# KiCad board data-center-ddr5-tester.kicad_pcb (continued)
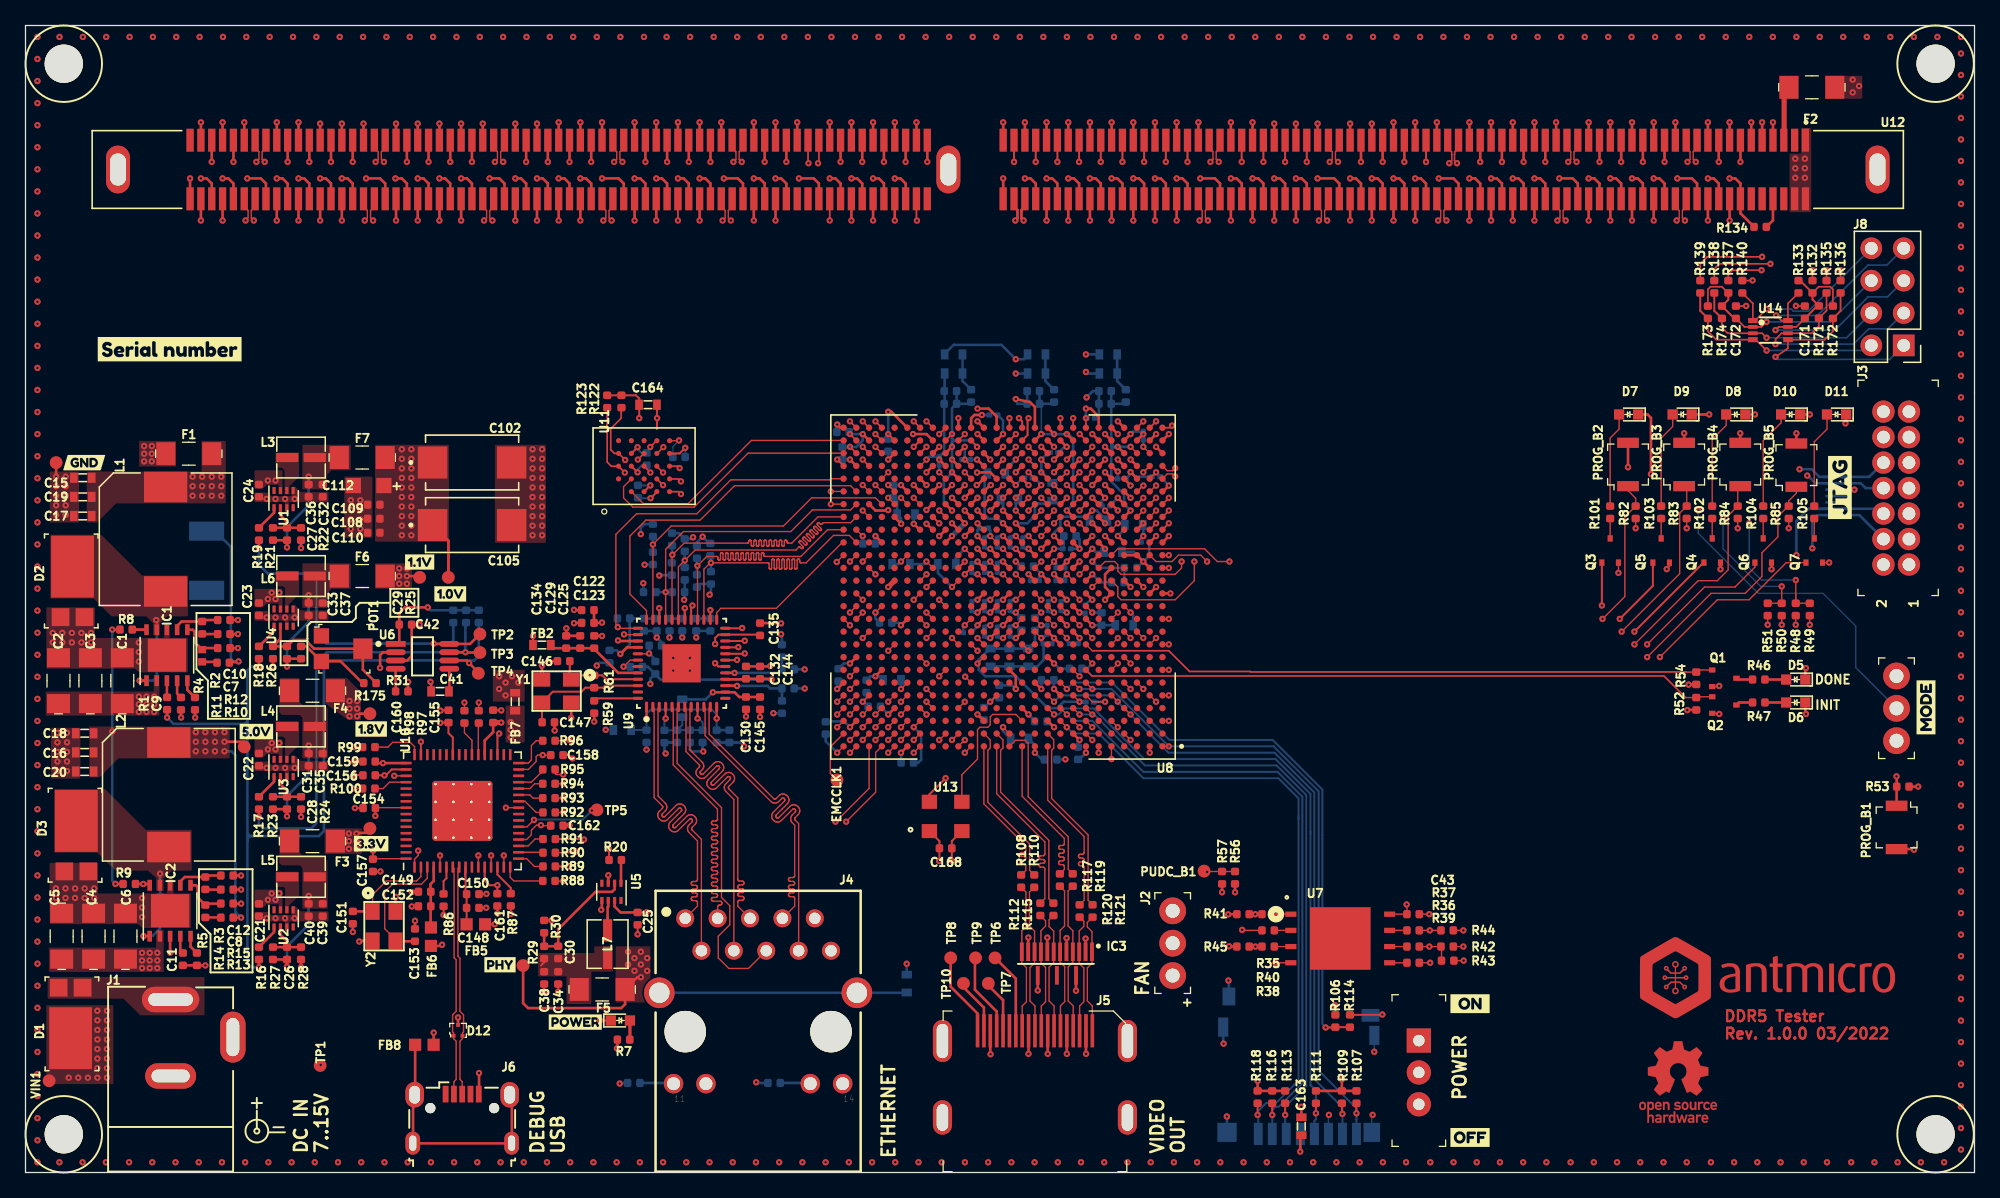
[diagram p0: board, top side]
## Routing (per net, layer and track width the routed paths; a pad name or vN(x,y) marks a point on that pad's centre or on a via; arc(x,y) is an arc through that point) (continued)
VIN_BULK:
  vias: v1(9.3,57) v1(9.3,56.4) v1(9.3,55.8) v1(9.9,57) v1(9.9,56.4) v1(9.9,55.8) v1(138.75,79.55) v1(138.75,78.8) v1(138.75,78.05) v1(139.5,79.55) v1(139.5,78.8) v1(139.5,78.05)
VIN_MGMT: length 4.4
  Top w0.4: 137.88,80.94 137.88,84.78 F2.2
/Ethernet/ETH1_N: length 26.5
  Top w0.1: U9.3 49.59,36.43 49.59,29.54 50.16,28.98 50.22,28.9 50.26,28.82 50.28,28.72 50.28,28.63 50.26,28.53 50.22,28.45 50.16,28.37 49.93,28.14 49.91,28.12 49.9,28.09 49.89,28.06 49.89,28.03 49.9,27.99 49.91,27.97 49.93,27.94 49.96,27.92 49.99,27.91 50.02,27.9 50.05,27.9 50.08,27.91 50.11,27.92 50.14,27.94 51,28.8 51.07,28.86 51.16,28.9 51.25,28.92 51.35,28.92 51.44,28.9 51.53,28.86 51.6,28.8 51.64,28.76 51.7,28.69 51.74,28.6 51.76,28.51 51.76,28.41 51.74,28.32 51.7,28.23 51.64,28.15 50.78,27.3 50.76,27.27 50.75,27.24 50.74,27.21 50.74,27.18 50.75,27.15 50.76,27.12 50.78,27.09 50.81,27.07 50.84,27.06 50.87,27.05 50.9,27.05 50.93,27.06 50.96,27.07 50.99,27.09 51.84,27.95 51.92,28.01 52.01,28.05 52.1,28.07 52.19,28.07 52.29,28.05 52.38,28.01 52.45,27.95 52.49,27.91 52.55,27.84 52.59,27.75 52.61,27.66 52.61,27.56 52.59,27.47 52.55,27.38 52.49,27.31 52.26,27.08 52.24,27.05 52.23,27.03 52.22,26.99 52.22,26.96 52.23,26.93 52.24,26.9 52.26,26.87 52.99,26.14 J4.2
/Ethernet/ETH1_P: length 26.5
  Top w0.1: J4.1 52.68,20.9 52.68,21.18 52.68,21.22 52.67,21.25 52.65,21.28 52.62,21.3 52.6,21.32 52.56,21.33 52.53,21.33 52.34,21.33 52.31,21.34 52.28,21.35 52.25,21.37 52.23,21.39 52.21,21.42 52.2,21.45 52.19,21.48 52.2,21.52 52.21,21.55 52.23,21.58 52.25,21.6 52.28,21.62 52.31,21.63 52.34,21.63 52.53,21.63 52.56,21.64 52.6,21.65 52.62,21.67 52.65,21.69 52.67,21.72 52.68,21.75 52.68,21.78 52.68,21.82 52.67,21.85 52.65,21.88 52.62,21.9 52.6,21.92 52.56,21.93 52.53,21.93 52.34,21.93 52.31,21.94 52.28,21.95 52.25,21.97 52.23,21.99 52.21,22.02 52.2,22.05 52.19,22.08 52.2,22.12 52.21,22.15 52.23,22.18 52.25,22.2 52.28,22.22 52.31,22.23 52.34,22.23 52.53,22.23 52.56,22.24 52.6,22.25 52.62,22.27 52.65,22.29 52.67,22.32 52.68,22.35 52.68,22.38 52.68,22.42 52.67,22.45 52.65,22.48 52.62,22.5 52.6,22.52 52.56,22.53 52.53,22.53 52.34,22.53 52.31,22.54 52.28,22.55 52.25,22.57 52.23,22.59 52.21,22.62 52.2,22.65 52.19,22.68 52.2,22.72 52.21,22.75 52.23,22.78 52.25,22.8 52.28,22.82 52.31,22.83 52.34,22.83 52.53,22.83 52.56,22.84 52.6,22.85 52.62,22.87 52.65,22.89 52.67,22.92 52.68,22.95 52.68,22.98 52.68,26.02 52.02,26.67 51.96,26.75 51.92,26.84 51.9,26.93 51.9,27.03 51.92,27.12 51.96,27.21 52.02,27.28 52.25,27.51 52.27,27.53 52.28,27.56 52.29,27.59 52.29,27.63 52.28,27.66 52.27,27.69 52.25,27.71 52.22,27.73 52.19,27.75 52.16,27.75 52.13,27.75 52.1,27.75 52.07,27.73 52.04,27.71 51.19,26.85 51.11,26.79 51.02,26.75 50.93,26.73 50.83,26.73 50.74,26.75 50.65,26.79 50.58,26.85 50.54,26.89 50.48,26.97 50.44,27.05 50.42,27.15 50.42,27.24 50.44,27.34 50.48,27.42 50.54,27.5 51.4,28.36 51.42,28.38 51.44,28.41 51.44,28.44 51.44,28.47 51.44,28.51 51.42,28.53 51.4,28.56 51.38,28.58 51.35,28.59 51.31,28.6 51.28,28.6 51.25,28.59 51.22,28.58 51.2,28.56 50.34,27.7 50.26,27.64 50.18,27.6 50.08,27.58 49.99,27.58 49.89,27.6 49.81,27.64 49.73,27.7 49.69,27.74 49.63,27.81 49.59,27.9 49.57,27.99 49.57,28.09 49.59,28.18 49.63,28.27 49.69,28.35 49.92,28.57 49.94,28.6 49.95,28.63 49.96,28.66 49.96,28.69 49.95,28.72 49.94,28.75 49.92,28.78 49.28,29.42 49.28,36.43 U9.2
/Ethernet/ETH2_N: length 26.5
  Top w0.1: U9.6 51.09,36.43 51.09,32.1 54.57,28.63 54.57,21.58 55.21,20.94 55.21,19.44 54.31,18.54 54.31,16.84 55.14,16.01 56.68,16.01 J4.6
/Ethernet/ETH2_P: length 26.5
  Top w0.1: J4.3 54.26,20.83 54.27,20.87 54.28,20.9 54.29,20.93 54.32,20.95 54.35,20.97 54.38,20.98 54.41,20.98 54.45,20.98 54.48,20.99 54.51,21 54.54,21.02 54.57,21.04 54.58,21.07 54.6,21.1 54.6,21.13 54.6,21.17 54.58,21.2 54.57,21.23 54.54,21.25 54.51,21.27 54.48,21.28 54.45,21.28 53.92,21.28 53.89,21.29 53.86,21.3 53.83,21.32 53.81,21.34 53.79,21.37 53.78,21.4 53.77,21.43 53.78,21.47 53.79,21.5 53.81,21.53 53.83,21.55 53.86,21.57 53.89,21.58 53.92,21.58 54.11,21.58 54.14,21.59 54.18,21.6 54.2,21.62 54.23,21.64 54.25,21.67 54.26,21.7 54.26,21.73 54.26,21.77 54.25,21.8 54.23,21.83 54.2,21.85 54.18,21.87 54.14,21.88 54.11,21.88 53.92,21.88 53.89,21.89 53.86,21.9 53.83,21.92 53.81,21.94 53.79,21.97 53.78,22 53.77,22.03 53.78,22.07 53.79,22.1 53.81,22.13 53.83,22.15 53.86,22.17 53.89,22.18 53.92,22.18 54.11,22.18 54.14,22.19 54.18,22.2 54.2,22.22 54.23,22.24 54.25,22.27 54.26,22.3 54.26,22.33 54.26,22.37 54.25,22.4 54.23,22.43 54.2,22.45 54.18,22.47 54.14,22.48 54.11,22.48 53.92,22.48 53.89,22.49 53.86,22.5 53.83,22.52 53.81,22.54 53.79,22.57 53.78,22.6 53.77,22.63 53.78,22.67 53.79,22.7 53.81,22.73 53.83,22.75 53.86,22.77 53.89,22.78 53.92,22.78 54.11,22.78 54.14,22.79 54.18,22.8 54.2,22.82 54.23,22.84 54.25,22.87 54.26,22.9 54.26,22.93 54.26,22.97 54.25,23 54.23,23.03 54.2,23.05 54.18,23.07 54.14,23.08 54.11,23.08 53.92,23.08 53.89,23.09 53.86,23.1 53.83,23.12 53.81,23.14 53.79,23.17 53.78,23.2 53.77,23.23 53.78,23.27 53.79,23.3 53.81,23.33 53.83,23.35 53.86,23.37 53.89,23.38 53.92,23.38 54.11,23.38 54.14,23.39 54.18,23.4 54.2,23.42 54.23,23.44 54.25,23.47 54.26,23.5 54.26,23.53 54.26,23.57 54.25,23.6 54.23,23.63 54.2,23.65 54.18,23.67 54.14,23.68 54.11,23.68 53.92,23.68 53.89,23.69 53.86,23.7 53.83,23.72 53.81,23.74 53.79,23.77 53.78,23.8 53.77,23.83 53.78,23.87 53.79,23.9 53.81,23.93 53.83,23.95 53.86,23.97 53.89,23.98 53.92,23.98 54.11,23.98 54.14,23.99 54.18,24 54.2,24.02 54.23,24.04 54.25,24.07 54.26,24.1 54.26,24.13 54.26,24.17 54.25,24.2 54.23,24.23 54.2,24.25 54.18,24.27 54.14,24.28 54.11,24.28 53.92,24.28 53.89,24.29 53.86,24.3 53.83,24.32 53.81,24.34 53.79,24.37 53.78,24.4 53.77,24.43 53.78,24.47 53.79,24.5 53.81,24.53 53.83,24.55 53.86,24.57 53.89,24.58 53.92,24.58 54.11,24.58 54.14,24.59 54.18,24.6 54.2,24.62 54.23,24.64 54.25,24.67 54.26,24.7 54.26,24.73 54.26,24.77 54.25,24.8 54.23,24.83 54.2,24.85 54.18,24.87 54.14,24.88 54.11,24.88 53.92,24.88 53.89,24.89 53.86,24.9 53.83,24.92 53.81,24.94 53.79,24.97 53.78,25 53.77,25.03 53.78,25.07 53.79,25.1 53.81,25.13 53.83,25.15 53.86,25.17 53.89,25.18 53.92,25.18 54.11,25.18 54.14,25.19 54.18,25.2 54.2,25.22 54.23,25.24 54.25,25.27 54.26,25.3 54.26,25.33 54.26,25.37 54.25,25.4 54.23,25.43 54.2,25.45 54.18,25.47 54.14,25.48 54.11,25.48 53.92,25.48 53.89,25.49 53.86,25.5 53.83,25.52 53.81,25.54 53.79,25.57 53.78,25.6 53.77,25.63 53.78,25.67 53.79,25.7 53.81,25.73 53.83,25.75 53.86,25.77 53.89,25.78 53.92,25.78 54.11,25.78 54.14,25.79 54.18,25.8 54.2,25.82 54.23,25.84 54.25,25.87 54.26,25.9 54.26,25.93 54.26,25.97 54.25,26 54.23,26.03 54.2,26.05 54.18,26.07 54.14,26.08 54.11,26.08 53.92,26.08 53.89,26.09 53.86,26.1 53.83,26.12 53.81,26.14 53.79,26.17 53.78,26.2 53.77,26.23 53.78,26.27 53.79,26.3 53.81,26.33 53.83,26.35 53.86,26.37 53.89,26.38 53.92,26.38 54.11,26.38 54.14,26.39 54.18,26.4 54.2,26.42 54.23,26.44 54.25,26.47 54.26,26.5 54.26,26.53 54.26,26.57 54.25,26.6 54.23,26.63 54.2,26.65 54.18,26.67 54.14,26.68 54.11,26.68 53.92,26.68 53.89,26.69 53.86,26.7 53.83,26.72 53.81,26.74 53.79,26.77 53.78,26.8 53.77,26.83 53.78,26.87 53.79,26.9 53.81,26.93 53.83,26.95 53.86,26.97 53.89,26.98 53.92,26.98 54.11,26.98 54.14,26.99 54.18,27 54.2,27.02 54.23,27.04 54.25,27.07 54.26,27.1 54.26,27.13 54.26,27.17 54.25,27.2 54.23,27.23 54.2,27.25 54.18,27.27 54.14,27.28 54.11,27.28 53.92,27.28 53.89,27.29 53.86,27.3 53.83,27.32 53.81,27.34 53.79,27.37 53.78,27.4 53.77,27.43 53.78,27.47 53.79,27.5 53.81,27.53 53.83,27.55 53.86,27.57 53.89,27.58 53.92,27.58 54.11,27.58 54.14,27.59 54.18,27.6 54.2,27.62 54.23,27.64 54.25,27.67 ; 54.25,27.67 54.26,27.7 54.26,27.73 ; 54.25,27.67 54.25,28.51 50.78,31.98 50.78,36.43 U9.5
/Ethernet/ETH3_N: length 26.5
  Top w0.1: U9.8 52.09,36.43 52.09,33.15 53.05,32.19 53.11,32.12 53.15,32.04 53.17,31.95 53.17,31.85 53.15,31.76 53.11,31.68 53.05,31.61 52.93,31.48 52.91,31.46 52.89,31.43 52.89,31.4 52.89,31.37 52.89,31.34 52.91,31.32 52.93,31.29 52.95,31.27 52.97,31.25 53,31.24 53.02,31.24 53.05,31.24 53.08,31.24 53.11,31.25 53.13,31.27 53.97,32.12 54.05,32.18 54.14,32.22 54.23,32.24 54.32,32.24 54.42,32.22 54.5,32.18 54.58,32.12 54.62,32.08 54.68,32 54.72,31.92 54.74,31.82 54.74,31.73 54.72,31.63 54.68,31.55 54.62,31.47 53.77,30.63 53.76,30.61 53.74,30.58 53.74,30.55 53.74,30.52 53.74,30.49 53.76,30.47 53.77,30.45 53.79,30.42 53.82,30.41 53.84,30.39 53.87,30.39 53.9,30.39 53.93,30.39 53.96,30.41 53.98,30.42 54.82,31.27 54.9,31.33 54.98,31.37 55.08,31.39 55.17,31.39 55.27,31.37 55.35,31.33 55.43,31.27 55.47,31.23 55.53,31.16 55.57,31.07 55.59,30.98 55.59,30.88 55.57,30.79 55.53,30.7 55.47,30.62 55.15,30.3 55.13,30.28 55.11,30.25 55.1,30.22 55.1,30.19 55.11,30.15 55.13,30.12 55.15,30.1 55.84,29.4 55.84,23.01 55.85,22.98 55.86,22.95 55.87,22.92 55.9,22.9 55.93,22.88 55.96,22.87 55.99,22.86 56.18,22.86 56.21,22.86 56.24,22.85 56.27,22.83 56.3,22.81 56.31,22.78 56.32,22.75 56.33,22.71 56.32,22.68 56.31,22.65 56.3,22.62 56.27,22.6 56.24,22.58 56.21,22.57 56.18,22.56 55.99,22.56 55.96,22.56 55.93,22.55 55.9,22.53 55.87,22.51 55.86,22.48 55.85,22.45 55.84,22.41 55.85,22.38 55.86,22.35 55.87,22.32 55.9,22.3 55.93,22.28 55.96,22.27 55.99,22.26 56.18,22.26 56.21,22.26 56.24,22.25 56.27,22.23 56.3,22.21 56.31,22.18 56.32,22.15 56.33,22.11 56.32,22.08 56.31,22.05 56.3,22.02 56.27,22 56.24,21.98 56.21,21.97 56.18,21.96 55.99,21.96 55.96,21.96 55.93,21.95 55.9,21.93 55.87,21.91 55.86,21.88 55.85,21.85 55.84,21.81 55.85,21.78 55.86,21.75 55.87,21.72 55.9,21.7 55.93,21.68 55.96,21.67 55.99,21.66 56.18,21.66 56.21,21.66 56.24,21.65 56.27,21.63 56.3,21.61 56.31,21.58 56.32,21.55 56.33,21.51 56.32,21.48 56.31,21.45 56.3,21.42 56.27,21.4 56.24,21.38 56.21,21.37 56.18,21.36 55.99,21.36 55.96,21.36 55.93,21.35 55.9,21.33 55.87,21.31 55.86,21.28 55.85,21.25 55.84,21.21 55.84,20.9 J4.5
/Ethernet/ETH3_P: length 26.5
  Top w0.1: U9.7 51.78,36.43 51.78,33.03 52.82,31.99 52.83,31.97 52.85,31.94 52.85,31.91 52.85,31.88 52.85,31.86 52.83,31.83 52.82,31.81 52.69,31.68 52.63,31.61 52.59,31.52 52.57,31.43 52.57,31.34 52.59,31.25 52.63,31.17 52.69,31.09 52.74,31.04 52.82,30.98 52.9,30.94 52.99,30.92 53.08,30.92 53.18,30.94 53.26,30.98 53.33,31.04 54.17,31.88 54.2,31.9 54.23,31.91 54.26,31.92 54.29,31.92 54.32,31.91 54.35,31.9 54.38,31.88 54.4,31.85 54.41,31.82 54.42,31.79 54.42,31.76 54.41,31.73 54.4,31.7 54.38,31.67 53.54,30.83 53.48,30.76 53.44,30.67 53.42,30.58 53.42,30.49 53.44,30.4 53.48,30.32 53.54,30.24 53.59,30.19 53.67,30.13 53.75,30.09 53.84,30.07 53.93,30.07 54.02,30.09 54.11,30.13 54.18,30.19 55.02,31.03 55.05,31.05 55.08,31.06 55.11,31.07 55.14,31.07 55.17,31.06 55.2,31.05 55.23,31.03 55.25,31 55.26,30.98 55.27,30.94 55.27,30.91 55.26,30.88 55.25,30.85 55.23,30.82 54.91,30.51 54.85,30.43 54.81,30.34 54.79,30.25 54.79,30.15 54.81,30.06 54.85,29.97 54.91,29.9 55.53,29.28 J4.4
/Ethernet/ETH4_N: length 26.5
  Top w0.1: J4.8 60.61,27.38 60.35,27.65 60.33,27.67 60.31,27.7 60.3,27.74 60.3,27.77 60.31,27.8 60.33,27.83 60.35,27.85 60.58,28.09 60.64,28.16 60.68,28.25 60.7,28.34 60.7,28.44 60.68,28.53 60.64,28.62 60.58,28.69 60.54,28.73 60.46,28.79 60.38,28.83 60.28,28.85 60.19,28.85 60.1,28.83 60.01,28.79 59.93,28.73 59.07,27.86 59.04,27.84 59.01,27.83 58.98,27.82 58.95,27.82 58.92,27.83 58.89,27.84 58.86,27.86 58.84,27.89 58.83,27.92 58.82,27.95 58.82,27.98 58.83,28.01 58.84,28.04 58.86,28.07 59.73,28.93 59.79,29.01 59.83,29.1 59.85,29.19 59.85,29.29 59.83,29.38 59.79,29.47 59.73,29.54 59.69,29.58 59.62,29.64 59.53,29.68 59.44,29.7 59.34,29.7 59.25,29.68 59.16,29.64 59.08,29.58 58.85,29.35 58.83,29.33 58.8,29.31 58.77,29.31 58.74,29.31 58.7,29.31 58.67,29.33 58.65,29.35 58.07,29.92 53.59,34.4 53.59,36.43 U9.11
/Ethernet/ETH4_P: length 26.5
  Top w0.1: J4.7 60.3,20.9 60.3,21.49 60.3,21.53 60.29,21.56 60.27,21.59 60.24,21.61 60.22,21.63 60.18,21.64 60.15,21.64 59.96,21.64 59.93,21.65 59.9,21.66 59.87,21.68 59.85,21.7 59.83,21.73 59.82,21.76 59.81,21.79 59.82,21.83 59.83,21.86 59.85,21.89 59.87,21.91 59.9,21.93 59.93,21.94 59.96,21.94 60.15,21.94 60.18,21.95 60.22,21.96 60.24,21.98 60.27,22 60.29,22.03 60.3,22.06 60.3,22.09 60.3,22.13 60.29,22.16 60.27,22.19 60.24,22.21 60.22,22.23 60.18,22.24 60.15,22.24 59.96,22.24 59.93,22.25 59.9,22.26 59.87,22.28 59.85,22.3 59.83,22.33 59.82,22.36 59.81,22.39 59.82,22.43 59.83,22.46 59.85,22.49 59.87,22.51 59.9,22.53 59.93,22.54 59.96,22.54 60.15,22.54 60.18,22.55 60.22,22.56 60.24,22.58 60.27,22.6 60.29,22.63 60.3,22.66 60.3,22.69 60.3,22.73 60.29,22.76 60.27,22.79 60.24,22.81 60.22,22.83 60.18,22.84 60.15,22.84 59.96,22.84 59.93,22.85 59.9,22.86 59.87,22.88 59.85,22.9 59.83,22.93 59.82,22.96 59.81,22.99 59.82,23.03 59.83,23.06 59.85,23.09 59.87,23.11 59.9,23.13 59.93,23.14 59.96,23.14 60.15,23.14 60.18,23.15 60.22,23.16 60.24,23.18 60.27,23.2 60.29,23.23 60.3,23.26 60.3,23.29 60.3,27.26 60.11,27.45 60.05,27.52 60.01,27.61 59.99,27.7 59.99,27.8 60.01,27.89 60.05,27.98 60.11,28.06 60.34,28.29 60.36,28.31 60.37,28.34 60.38,28.37 60.38,28.41 60.37,28.44 60.36,28.47 60.34,28.49 60.31,28.51 60.28,28.53 60.25,28.53 60.22,28.53 60.19,28.53 60.16,28.51 60.13,28.49 59.27,27.62 59.19,27.56 59.1,27.52 59.01,27.5 58.92,27.5 58.82,27.52 58.74,27.56 58.66,27.62 58.62,27.66 58.56,27.74 58.52,27.82 58.5,27.92 58.5,28.01 58.52,28.11 58.56,28.19 58.62,28.27 59.49,29.13 59.51,29.16 59.52,29.19 59.53,29.22 59.53,29.25 59.52,29.29 59.51,29.31 59.49,29.34 59.47,29.36 59.44,29.37 59.4,29.38 59.37,29.38 59.34,29.37 59.31,29.36 59.29,29.34 59.05,29.11 58.98,29.05 58.89,29.01 58.8,28.99 58.7,28.99 58.61,29.01 58.52,29.05 58.45,29.11 53.28,34.28 53.28,36.43 U9.10
/FPGA banks 16-34/EN: length 15.9
  Top w0.127: R133.1 138.18,68.19 U14.8 137.65,66.85 v1(137.25,67.25)
  Top w0.15: 138.22,66.8 U14.8
  Bottom w0.127: J8.7 145.93,71.2 144.45,71.2 140.5,67.25 v1(137.25,67.25)
/FPGA banks 16-34/SCL1: length 15.8
  Top w0.127: R174.2 133,66.3 133.45,65.85 U14.3 136.15,65.85 v1(136.5,65.5)
  Top w0.15: R174.2 132.4,67.61 R138.1
  Bottom w0.127: v1(136.5,65.5) 142.77,65.5 J8.4
/FPGA banks 16-34/SCL2: length 18.1
  Top w0.127: v1(137.2,65) 137.2,65.38 137.67,65.85 U14.6 140.05,65.85 140.6,66.4 R171.2 141.2,67.63 R135.2
  Bottom w0.127: v1(137.2,65) 143.31,65 144.51,66.2 146.01,66.2 J8.3
/FPGA banks 16-34/SDA1: length 16.9
  Top w0.127: R173.2 131.9,66 132.55,65.35 U14.4 135.65,65.35 v1(136.5,64.5)
  Top w0.15: R139.1 131.3,67.61 R173.2
  Bottom w0.127: J8.2 144.31,64.5 v1(136.5,64.5)
/FPGA banks 16-34/SDA2: length 19.5
  Top w0.127: v1(137.2,64) 138.18,64.67 U14.5 141.05,65.35 141.7,66 R172.2 142.3,67.61 R136.2
  Bottom w0.127: J8.1 146.15,63.8 137.4,63.8 v1(137.2,64)
/FPGA banks 16-34/VREF1: length 18.4
  Top w0.127: R137.1 133.49,69.02 133,69.5 132.1,69.5 131.9,69.3 R173.1 ; v1(136.5,66.75) 136.1,66.35 U14.2 134.76,66.35 C172.1
  Top w0.15: 134.15,66.97 C172.1 133.97,67.02 R174.1 133.5,68.48 R137.1
  Bottom w0.127: J8.6 141.48,66.75 v1(136.5,66.75)
/FPGA banks 16-34/VREF2: length 21.9
  Top w0.127: R172.1 141.7,69.3 141.5,69.5 140.59,69.5 R132.1 ; C171.1 138.84,66.35 U14.7 137.45,66.35 v1(137.2,66.1)
  Top w0.15: 141.69,68 R172.1 ; 139.45,66.97 C171.1 140.49,68 R171.1 140.1,68.5 R132.1 139.13,69.98 R133.2
  Bottom w0.127: J8.5 145.97,68.7 144.45,68.7 141.85,66.1 v1(137.2,66.1)
/Supply/SYS_EN: length 107.9
  Top w0.2: v1(23.14,8.44) 23.1,8.4 TP1.1 ; v1(11.35,17.25) 11.34,17.26 IC2.3
  In9.Cu w0.15: v1(11.35,17.25) 19.35,17.25 19.6,17 19.6,8.8 19.96,8.44 v1(23.14,8.44) 108.65,8.44 S1.2
ALERT_N: length 41.4
  Top w0.13: U8.AF2 v1(88.64,58.94)
  Top w0.15: U12.62 v1(87.7,79.3)
  In9.Cu w0.13: v1(87.7,79.3) 87.7,78.8 87.7,78.77 87.69,78.74 87.67,78.72 87.65,78.7 87.63,78.68 87.6,78.67 87.57,78.67 87.49,78.67 87.46,78.67 87.43,78.66 87.41,78.64 87.39,78.62 87.37,78.6 87.36,78.57 87.36,78.54 87.36,78.51 87.37,78.48 87.39,78.46 87.41,78.44 87.43,78.42 87.46,78.41 87.49,78.41 87.91,78.41 87.94,78.41 87.97,78.4 87.99,78.38 88.01,78.36 88.03,78.34 88.04,78.31 88.04,78.28 88.04,78.25 88.03,78.22 88.01,78.2 87.99,78.18 87.97,78.16 87.94,78.15 87.91,78.15 87.49,78.15 87.46,78.15 87.43,78.14 87.41,78.12 87.39,78.1 87.37,78.08 87.36,78.05 87.36,78.02 87.36,77.99 87.37,77.96 87.39,77.94 87.41,77.92 87.43,77.9 87.46,77.89 87.49,77.89 87.91,77.89 87.94,77.89 87.97,77.88 87.99,77.86 88.01,77.84 88.03,77.82 88.04,77.79 88.04,77.76 88.04,77.73 88.03,77.7 88.01,77.68 87.99,77.66 87.97,77.64 87.94,77.63 87.91,77.63 87.49,77.63 87.46,77.63 87.43,77.62 87.41,77.6 87.39,77.58 87.37,77.56 87.36,77.53 87.36,77.5 87.36,77.47 87.37,77.44 87.39,77.42 87.41,77.4 87.43,77.38 87.46,77.37 87.49,77.37 87.91,77.37 87.94,77.37 87.97,77.36 87.99,77.34 88.01,77.32 88.03,77.3 88.04,77.27 88.04,77.24 88.04,77.21 88.03,77.18 88.01,77.16 87.99,77.14 87.97,77.12 87.94,77.11 87.91,77.11 87.49,77.11 87.46,77.11 87.43,77.1 87.41,77.08 87.39,77.06 87.37,77.04 87.36,77.01 87.36,76.98 87.36,76.95 87.37,76.92 87.39,76.9 87.41,76.88 87.43,76.86 87.46,76.85 87.49,76.85 87.91,76.85 87.94,76.85 87.97,76.84 87.99,76.82 88.01,76.8 88.03,76.78 88.04,76.75 88.04,76.72 88.04,76.69 88.03,76.66 88.01,76.64 87.99,76.62 87.97,76.6 87.94,76.59 87.91,76.59 87.49,76.59 87.46,76.59 87.43,76.58 87.41,76.56 87.39,76.54 87.37,76.52 87.36,76.49 87.36,76.46 87.36,76.43 87.37,76.4 87.39,76.38 87.41,76.36 87.43,76.34 87.46,76.33 87.49,76.33 87.91,76.33 87.94,76.33 87.97,76.32 87.99,76.3 88.01,76.28 88.03,76.26 88.04,76.23 88.04,76.2 88.04,76.17 88.03,76.14 88.01,76.12 87.99,76.1 87.97,76.08 87.94,76.07 87.91,76.07 87.49,76.07 87.46,76.07 87.43,76.06 87.41,76.04 87.39,76.02 87.37,76 87.36,75.97 87.36,75.94 87.36,75.91 87.37,75.88 87.39,75.86 87.41,75.84 87.43,75.82 87.46,75.81 87.49,75.81 87.91,75.81 87.94,75.81 87.97,75.8 87.99,75.78 88.01,75.76 88.03,75.74 88.04,75.71 88.04,75.68 88.04,75.65 88.03,75.62 88.01,75.6 87.99,75.58 87.97,75.56 87.94,75.55 87.91,75.55 87.49,75.55 87.46,75.55 87.43,75.54 87.41,75.52 87.39,75.5 87.37,75.48 87.36,75.45 87.36,75.42 87.36,75.39 87.37,75.36 87.39,75.34 87.41,75.32 87.43,75.3 87.46,75.29 87.49,75.29 87.91,75.29 87.94,75.29 87.97,75.28 87.99,75.26 88.01,75.24 88.03,75.22 88.04,75.19 88.04,75.16 88.04,75.13 88.03,75.1 88.01,75.08 87.99,75.06 87.97,75.04 87.94,75.03 87.91,75.03 87.49,75.03 87.46,75.03 87.43,75.02 87.41,75 87.39,74.98 87.37,74.96 87.36,74.93 87.36,74.9 87.36,74.87 87.37,74.84 87.39,74.82 87.41,74.8 87.43,74.78 87.46,74.77 87.49,74.77 87.91,74.77 87.94,74.77 87.97,74.76 87.99,74.74 88.01,74.72 88.03,74.7 88.04,74.67 88.04,74.64 88.04,74.61 88.03,74.58 88.01,74.56 87.99,74.54 87.97,74.52 87.94,74.51 87.91,74.51 87.49,74.51 87.46,74.51 87.43,74.5 87.41,74.48 87.39,74.46 87.37,74.44 87.36,74.41 87.36,74.38 87.36,74.35 87.37,74.32 87.39,74.3 87.41,74.28 87.43,74.26 87.46,74.25 87.49,74.25 87.91,74.25 87.94,74.25 87.97,74.24 87.99,74.22 88.01,74.2 88.03,74.18 88.04,74.15 88.04,74.12 88.04,74.09 88.03,74.06 88.01,74.04 87.99,74.02 87.97,74 87.94,73.99 87.91,73.99 87.49,73.99 87.46,73.99 87.43,73.98 87.41,73.96 87.39,73.94 87.37,73.92 87.36,73.89 87.36,73.86 87.36,73.83 87.37,73.8 87.39,73.78 87.41,73.76 87.43,73.74 87.46,73.73 87.49,73.73 87.91,73.73 87.94,73.73 87.97,73.72 87.99,73.7 88.01,73.68 88.03,73.66 88.04,73.63 88.04,73.6 88.04,73.57 88.03,73.54 88.01,73.52 87.99,73.5 87.97,73.48 87.94,73.47 87.91,73.47 87.49,73.47 87.46,73.47 87.43,73.46 87.41,73.44 87.39,73.42 87.37,73.4 87.36,73.37 87.36,73.34 87.36,73.31 87.37,73.28 87.39,73.26 87.41,73.24 87.43,73.22 87.46,73.21 87.49,73.21 87.91,73.21 87.94,73.21 87.97,73.2 87.99,73.18 88.01,73.16 88.03,73.14 88.04,73.11 88.04,73.08 88.04,73.05 88.03,73.02 88.01,73 87.99,72.98 87.97,72.96 87.94,72.95 87.91,72.95 87.49,72.95 87.46,72.95 87.43,72.94 87.41,72.92 87.39,72.9 87.37,72.88 87.36,72.85 87.36,72.82 87.36,72.79 87.37,72.76 87.39,72.74 87.41,72.72 87.43,72.7 87.46,72.69 87.49,72.69 87.91,72.69 87.94,72.69 87.97,72.68 87.99,72.66 88.01,72.64 88.03,72.62 88.04,72.59 88.04,72.56 88.04,72.53 88.03,72.5 88.01,72.48 87.99,72.46 87.97,72.44 87.94,72.43 87.91,72.43 87.49,72.43 87.46,72.43 87.43,72.42 87.41,72.4 87.39,72.38 87.37,72.36 87.36,72.33 87.36,72.3 87.36,72.27 87.37,72.24 87.39,72.22 87.41,72.2 87.43,72.18 87.46,72.17 87.49,72.17 87.91,72.17 87.94,72.17 87.97,72.16 87.99,72.14 88.01,72.12 88.03,72.1 88.04,72.07 88.04,72.04 88.04,72.01 88.03,71.98 88.01,71.96 87.99,71.94 87.97,71.92 87.94,71.91 87.91,71.91 87.49,71.91 87.46,71.91 87.43,71.9 87.41,71.88 87.39,71.86 87.37,71.84 87.36,71.81 87.36,71.78 87.36,71.75 87.37,71.72 87.39,71.7 87.41,71.68 87.43,71.66 87.46,71.65 87.49,71.65 87.91,71.65 87.94,71.65 87.97,71.64 87.99,71.62 88.01,71.6 88.03,71.58 88.04,71.55 88.04,71.52 88.04,71.49 88.03,71.46 88.01,71.44 87.99,71.42 87.97,71.4 87.94,71.39 87.91,71.39 87.49,71.39 87.46,71.39 87.43,71.38 87.41,71.36 87.39,71.34 87.37,71.32 87.36,71.29 87.36,71.26 87.36,71.23 87.37,71.2 87.39,71.18 87.41,71.16 87.43,71.14 87.46,71.13 87.49,71.13 87.91,71.13 87.94,71.13 87.97,71.12 87.99,71.1 88.01,71.08 88.03,71.06 88.04,71.03 88.04,71 88.04,70.97 88.03,70.94 88.01,70.92 87.99,70.9 87.97,70.88 87.94,70.87 87.91,70.87 87.49,70.87 87.46,70.87 87.43,70.86 87.41,70.84 87.39,70.82 87.37,70.8 87.36,70.77 87.36,70.74 87.36,70.71 87.37,70.68 87.39,70.66 87.41,70.64 87.43,70.62 87.46,70.61 87.49,70.61 87.91,70.61 87.94,70.61 87.97,70.6 87.99,70.58 88.01,70.56 88.03,70.54 88.04,70.51 88.04,70.48 88.04,70.45 88.03,70.42 88.01,70.4 87.99,70.38 87.97,70.36 87.94,70.35 87.91,70.35 87.83,70.35 87.8,70.35 87.77,70.34 87.75,70.32 87.73,70.3 87.71,70.28 87.7,70.25 87.7,70.22 87.7,59.88 v1(88.64,58.94)
AUX_JTAG_RST: length 25.9
  Top w0.1: R96.2 42.57,33.88 v1(42.64,33.94) ; U8.G25 v1(64.64,38.94)
  In2.Cu w0.1: v1(64.64,38.94) 63.14,38.94 58.14,33.94 v1(42.64,33.94)
AUX_JTAG_TCK: length 28.9
  Top w0.1: 41.52,28.25 v4(42.16,28.25) ; U8.C24 v1(65.64,34.94)
  In2.Cu w0.1: v4(42.16,28.25) 42.85,28.94 61.92,28.94 65.14,32.16 65.14,34.44 v1(65.64,34.94)
AUX_JTAG_TDI: length 29.2
  Top w0.1: R93.2 v4(42.16,29.38) ; U8.D24 v1(65.64,35.94)
  In2.Cu w0.1: v1(65.64,35.94) 65.14,35.44 64.54,35.44 64.14,35.03 64.14,32.44 60.94,29.24 42.3,29.24 v4(42.16,29.38)
AUX_JTAG_TDO: length 25.5
  Top w0.1: U8.C26 v1(63.64,34.94) ; R94.2 v4(42.16,30.5)
  In2.Cu w0.1: v4(42.16,30.5) 42.57,30.5 43.54,29.54 58.24,29.54 v1(63.64,34.94)
AUX_JTAG_TMS: length 27.3
  Top w0.1: U8.D25 v1(64.64,35.94) ; v4(42.16,31.23) 41.6,31.23 41.52,31.31 R95.2
  In2.Cu w0.1: v4(42.16,31.23) 42.19,31.25 42.82,31.25 44.24,29.84 57.64,29.84 63.24,35.44 63.78,35.44 64.28,35.94 v1(64.64,35.94)
C_TMDS_CLK_N: length 11.8
  Top w0.1: R108.2 78.43,22.01 78.43,19.29 78.11,18.97 IC3.12 78.11,16.44 78.47,16.08 78.47,13.4 78.14,13.07 J5.12
C_TMDS_CLK_P: length 11.9
  Top w0.1: R110.2 78.71,22.01 78.71,19.34 79.11,18.94 IC3.10 79.11,16.44 78.75,16.08 78.75,13.46 79.14,13.07 J5.10
C_TMDS_D0_N: length 9.7
  Top w0.1: R112.2 79.97,19.75 79.97,19.33 79.61,18.97 IC3.9 79.61,16.45 79.97,16.09 79.97,13.4 79.64,13.07 J5.9
C_TMDS_D0_P: length 9.6
  Top w0.1: R115.2 80.25,19.83 80.25,19.3 80.61,18.93 IC3.7 80.61,16.46 80.25,16.1 80.25,13.46 80.64,13.07 J5.7
C_TMDS_D1_N: length 11.9
  Top w0.1: J5.6 81.14,13.07 81.47,13.4 81.47,16.15 81.11,16.52 IC3.6 81.11,18.99 81.46,19.34 81.46,22.1 R117.2
C_TMDS_D1_P: length 12
  Top w0.1: J5.4 82.14,13.07 81.75,13.46 81.75,16.14 82.11,16.5 IC3.4 82.11,18.97 81.74,19.35 81.74,22.1 R119.2
C_TMDS_D2_N: length 9.5
  Top w0.1: R120.2 82.97,19.71 82.97,19.32 82.61,18.96 IC3.3 82.61,16.41 82.97,16.05 82.97,13.4 82.64,13.07 J5.3
C_TMDS_D2_P: length 9.5
  Top w0.1: R121.2 83.25,19.63 83.25,19.27 83.61,18.9 IC3.1 83.61,16.42 83.25,16.06 83.25,13.46 83.64,13.07 J5.1
CA0_A: length 41.3
  Top w0.13: U8.V7 v1(82.64,50.94)
  Top w0.15: U12.66 v1(84.3,79.3)
  In9.Cu w0.13: v1(82.64,50.94) 83.64,50.94 84.14,51.44 84.14,58.44 84.3,58.6 84.3,74.38 84.3,74.41 84.31,74.44 84.33,74.46 84.35,74.48 84.37,74.5 84.4,74.51 84.43,74.51 84.52,74.51 84.55,74.51 84.58,74.52 84.6,74.54 84.62,74.56 84.64,74.58 84.65,74.61 84.65,74.64 84.65,74.67 84.64,74.7 84.62,74.72 84.6,74.74 84.58,74.76 84.55,74.77 84.52,74.77 84.08,74.77 84.05,74.77 84.02,74.78 84,74.8 83.98,74.82 83.96,74.84 83.95,74.87 83.95,74.9 83.95,74.93 83.96,74.96 83.98,74.98 84,75 84.02,75.02 84.05,75.03 84.08,75.03 84.52,75.03 84.55,75.03 84.58,75.04 84.6,75.06 84.62,75.08 84.64,75.1 84.65,75.13 84.65,75.16 84.65,75.19 84.64,75.22 84.62,75.24 84.6,75.26 84.58,75.28 84.55,75.29 84.52,75.29 84.08,75.29 84.05,75.29 84.02,75.3 84,75.32 83.98,75.34 83.96,75.36 83.95,75.39 83.95,75.42 83.95,75.45 83.96,75.48 83.98,75.5 84,75.52 84.02,75.54 84.05,75.55 84.08,75.55 84.52,75.55 84.55,75.55 84.58,75.56 84.6,75.58 84.62,75.6 84.64,75.62 84.65,75.65 84.65,75.68 84.65,75.71 84.64,75.74 84.62,75.76 84.6,75.78 84.58,75.8 84.55,75.81 84.52,75.81 84.08,75.81 84.05,75.81 84.02,75.82 84,75.84 83.98,75.86 83.96,75.88 83.95,75.91 83.95,75.94 83.95,75.97 83.96,76 83.98,76.02 84,76.04 84.02,76.06 84.05,76.07 84.08,76.07 84.52,76.07 84.55,76.07 84.58,76.08 84.6,76.1 84.62,76.12 84.64,76.14 84.65,76.17 84.65,76.2 84.65,76.23 84.64,76.26 84.62,76.28 84.6,76.3 84.58,76.32 84.55,76.33 84.52,76.33 84.08,76.33 84.05,76.33 84.02,76.34 84,76.36 83.98,76.38 83.96,76.4 83.95,76.43 83.95,76.46 83.95,76.49 83.96,76.52 83.98,76.54 84,76.56 84.02,76.58 84.05,76.59 84.08,76.59 84.52,76.59 84.55,76.59 84.58,76.6 84.6,76.62 84.62,76.64 84.64,76.66 84.65,76.69 84.65,76.72 84.65,76.75 84.64,76.78 84.62,76.8 84.6,76.82 84.58,76.84 84.55,76.85 84.52,76.85 84.08,76.85 84.05,76.85 84.02,76.86 84,76.88 83.98,76.9 83.96,76.92 83.95,76.95 83.95,76.98 83.95,77.01 83.96,77.04 83.98,77.06 84,77.08 84.02,77.1 84.05,77.11 84.08,77.11 84.52,77.11 84.55,77.11 84.58,77.12 84.6,77.14 84.62,77.16 84.64,77.18 84.65,77.21 84.65,77.24 84.65,77.27 84.64,77.3 84.62,77.32 84.6,77.34 84.58,77.36 84.55,77.37 84.52,77.37 84.08,77.37 84.05,77.37 84.02,77.38 84,77.4 83.98,77.42 83.96,77.44 83.95,77.47 83.95,77.5 83.95,77.53 83.96,77.56 83.98,77.58 84,77.6 84.02,77.62 84.05,77.63 84.08,77.63 84.52,77.63 84.55,77.63 84.58,77.64 84.6,77.66 84.62,77.68 84.64,77.7 84.65,77.73 84.65,77.76 84.65,77.79 84.64,77.82 84.62,77.84 84.6,77.86 84.58,77.88 84.55,77.89 84.52,77.89 84.08,77.89 84.05,77.89 84.02,77.9 84,77.92 83.98,77.94 83.96,77.96 83.95,77.99 83.95,78.02 83.95,78.05 83.96,78.08 83.98,78.1 84,78.12 84.02,78.14 84.05,78.15 84.08,78.15 84.52,78.15 84.55,78.15 84.58,78.16 84.6,78.18 84.62,78.2 84.64,78.22 84.65,78.25 84.65,78.28 84.65,78.31 84.64,78.34 84.62,78.36 84.6,78.38 84.58,78.4 84.55,78.41 84.52,78.41 84.08,78.41 84.05,78.41 84.02,78.42 84,78.44 83.98,78.46 83.96,78.48 83.95,78.51 83.95,78.54 83.95,78.57 83.96,78.6 83.98,78.62 84,78.64 84.02,78.66 84.05,78.67 84.08,78.67 84.17,78.67 84.2,78.67 84.23,78.68 84.25,78.7 84.27,78.72 84.29,78.74 84.3,78.77 84.3,78.8 v1(84.3,79.3)